# KiCad board RP2350pc_Rev_A.kicad_pcb (continued)
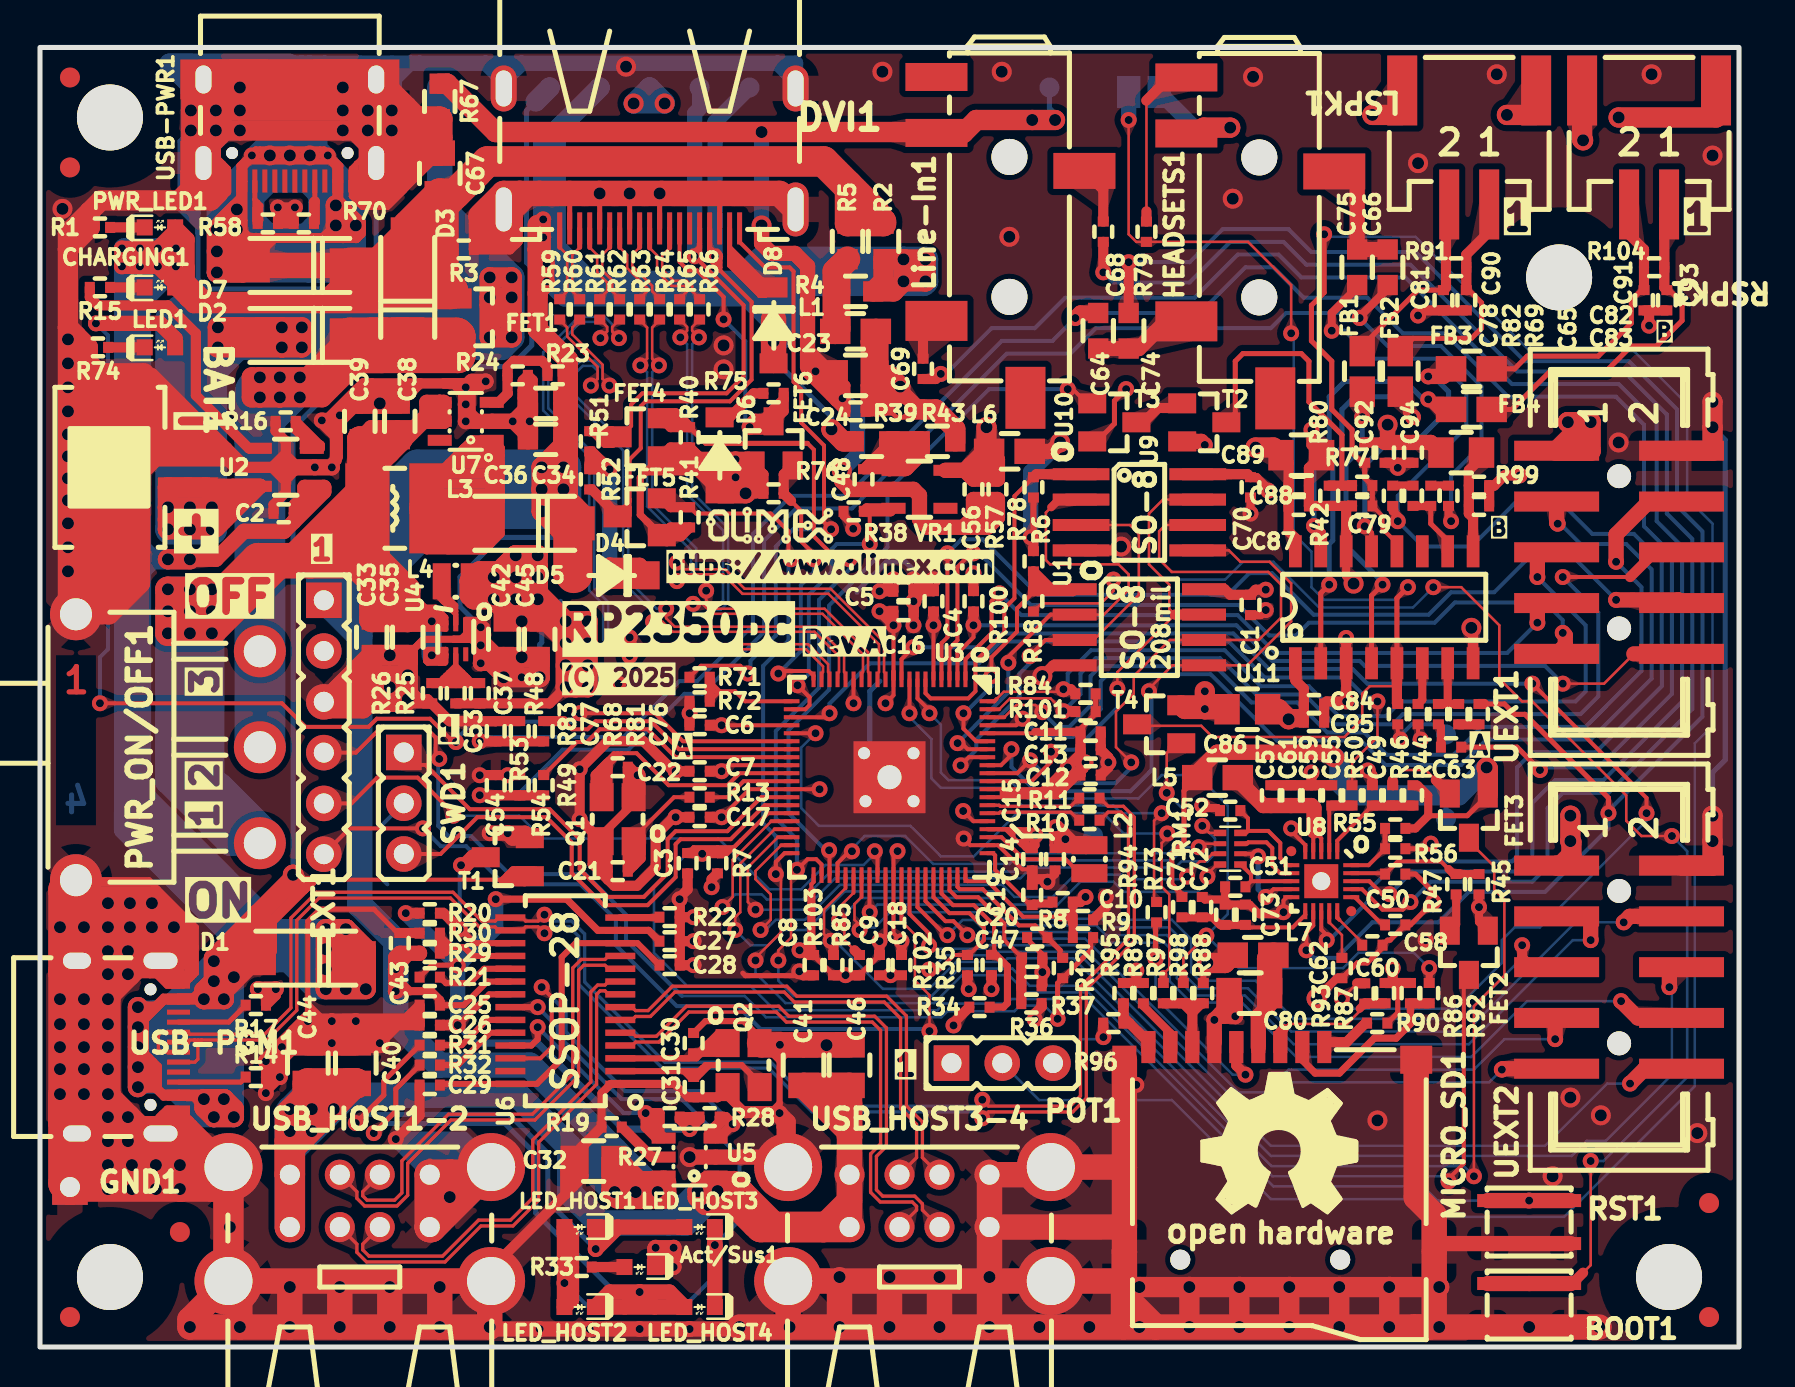
[diagram p0: board, top side]
## Routing (per net, layer and track width the routed paths; a pad name or vN(x,y) marks a point on that pad's centre or on a via; arc(x,y) is an arc through that point) (continued)
  Bottom w1.27: 8.18,61.5 9.68,63 11.21,63 ; 8.18,61.5 USB-PWR1.0 8.18,59.97 11.21,63 ; 8.18,61.5 USB-PWR1.0 8.58,63 GND2.1 11.21,63 ; USB-PWR1.0 USB-PWR1.0
  Bottom w1.524: v1(20.5,7.5) 20.5,9 ; USB_HOST1-2.0 19.57,6 USB_HOST1-2.2.4 USB_HOST1-2.1.4
  vias: v1(1,21) v1(1,17.4) v1(1,16.15) v1(1,15) v1(1,13.9) v1(1,12.65) v1(1.12,56.93) v1(1.4,50.4) v1(1.4,49.2) v1(1.4,48) v1(1.4,46.8) v1(1.4,45.65) v1(1.4,44.55) v1(1.4,43.45) v1(1.4,42.35) v1(1.4,41.2) v1(1.4,40) v1(1.4,38.8) v1(2.2,17.4) v1(2.2,16.15) v1(2.2,15) v1(2.2,13.9) v1(3.4,22.2) v1(3.4,21) v1(3.4,18.65) v1(3.4,16.15) v1(3.4,15) v1(3.4,13.9) v1(3.4,11.5) v1(3.4,9.1) v1(3.4,7.9) v1(4.4,19.8) v1(4.4,10.3) v1(4.5,22.2) v1(4.5,21) v1(4.6,9.1) v1(4.6,7.9) v1(5.6,21) v1(5.8,9.1) v1(5.8,7.9) v1(7,9.1) v1(7,7.9) v1(9.5,6) v1(10,63) v1(10,61.85) v1(16.4,61.85) v1(17.5,33) v1(29.32,64.04) v1(31,57.7) v1(34.2,50.1) v1(34.2,48.9) v1(39.35,15.1) v1(40,3.5) v1(42.15,63.79) v1(42.5,3.5) v1(45,3.5) v1(47.5,3.5) v1(47.5,1) v1(48.12,63.79) v1(48.5,55.53) v1(50,1) v1(52.5,1) v1(55,1) v1(59.67,57.44) v1(60.69,63.53) v1(66.91,11.33) v1(68.94,59.21) v1(70,1) v1(72.88,63.66) v1(74.5,1) v1(75.67,8.54) v1(76.56,12.48) v1(78.09,11.59) v1(78.98,45.24) v1(80.63,63.66) v1(82.91,10.7) v1(83.68,59.59) v2(13.75,44) v2(24.1,33.5) v2(27.5,0.9) v2(28.94,33.18) v2(30,0.9) v2(32,22.4) v2(32.5,0.9) v2(42.55,18.6) v2(54.85,13.11) v2(69.32,20.35)
GNDA: length 176.7
  Top w0.2: C77.2 68.94,30.51 v2(69.07,30.39) ; U8.5 63.3,25.11 62.59,25.81 v2(62.59,25.94) ; v2(62.21,21.75) 62.21,22.33 62.38,22.5 U8.10
  Top w0.254: T3.2 52.87,45.3 53.75,46.18 53.75,47.33 v2(54.34,47.91) ; v2(69.58,25.18) 69.32,24.92 R56.2 ; C50.2 68.82,23.65 69.71,22.77 v2(69.71,22.26) 68.56,21.11 C58.2 67.55,20.35 67.42,20.35 67.16,20.1 67.16,19.97 66.4,19.21 65.9,19.21 C62.2
  Top w0.406: C62.2 64.88,18.45 v1(63.86,17.43) ; C52.2 58.91,26.96 58.28,26.96 v2(58.15,27.08) ; v2(62.21,21.75) 62.11,21.65 60.99,21.65 60.51,22.13 C73.1 C72.2 59.29,22.38 ; 59.29,22.38 58.28,22.38 C71.2 ; 59.29,22.38 C51.2 ; U11.14 65.34,38.56 v1(65.72,38.18)
  Top w0.508: C83.1 C82.1 72.75,43.08 73.26,43.59 v2(74.02,43.59) ; v2(67.93,43.97) 67.93,44.23 ; 67.93,44.23 C92.1 ; 67.93,44.23 C94.1 ; v2(63.61,45.88) 63.61,45.12 C89.1 63.48,43.97 C88.2 C87.1 R42.2 65.26,42.07 ; v1(71.61,35.97) 71.69,35.89 U11.8 ; 65.26,42.07 65.34,41.98 U11.14 ; 65.26,42.07 C79.2 ; C90.1 C81.2 69.2,51.85 v2(68.94,51.59) ; C23.2 40.29,48.09 40.29,47.69 40.2,47.6 40.29,47.51 40.29,47.3 ; C23.2 38.4,49.98 38.4,50.3 ; C23.2 39.78,47.31 ; 40.29,47.3 C24.1 39.78,47.31 ; 40.29,47.3 38.59,49 38.4,49 38.4,48.69 39.78,47.31 ; 61.58,28.1 63.61,28.1 ; C93.1 80.5,51.85 ; 80.5,51.85 v2(80.5,51.09) ; 80.5,51.85 C91.2 ; v2(66.43,28.84) 66.66,28.61 66.66,28.1 ; 63.61,28.1 v2(63.61,28.73) ; 63.61,28.1 64.62,28.1 ; C85.2 C84.1 64.37,32.29 v2(65.34,32.29) U11.3 v2(65.34,35.47)
  Top w0.762: 47.9,41.9 R57.2 C56.2 46.7,41.9 ; 47.9,41.9 46.7,41.9 ; 47.9,41.9 47.9,41.5 ; C23.2 39.43,48.6 38.4,49.62 ; 38.4,49.62 38.4,54.06 37.76,54.7 36.6,54.7 36.1,55.2 v1(36.1,56.1) ; 38.4,49.62 38.4,49 ; v1(40.11,43.85) 40.11,43.31 40.53,42.89 C48.2 41.21,42.9 VR1.2 43.7,42.9 44,42.6 44,41.4 44.4,41 46.2,41 ; 47.9,41.5 47.4,41 46.2,41 ; 47.9,41.5 46.7,41.5 ; 46.7,41.9 46.7,41.5 ; 46.7,41.5 46.2,41
  Top w1.016: R67.2 20.37,63.19 22.79,60.77 44.81,60.77 44.85,60.72 46.2,60.72 46.84,61.37 v1(49.64,61.37) v1(50.78,61.37) ; v2(58.28,32.8) v2(58.28,31.91) 58.28,31.9 C86.1 ; LSPK1.0 74.85,61.63 v1(73.39,61.63) ; v1(78.98,61.5) 83.85,61.5 RSPK1.0 ; T4.2 57.28,31.92 58.28,31.92 ; v1(77.2,60.36) 77.15,60.41 RSPK1.0 ; LSPK1.0 68.15,61.63 v1(66.66,61.63) ; HEADSETS1.5 57.93,60.7 58.22,60.99 v1(59.54,60.99)
  In2.Cu w0.508: POT1.3 53.39,14.2 54.59,15.4 60.05,15.4 62.09,17.43 v1(63.86,17.43)
  Bottom w0.254: GNDA1.1 50.5,61.97 50.78,61.69 v1(50.78,61.37)
  Bottom w0.762: AMP_SHDN_E1.2 57.77,60.99 v1(59.54,60.99) ; v1(40.11,43.85) 40.9,44.63 40.9,46.7 v2(40.15,47.45) v2(38.8,48.8) ; v1(36.1,56.1) v1(36.1,60.77)
VBAT: length 361.7
  Top w0.508: 7.45,43.05 BAT1.1 ; v2(49.77,16.39) 49.77,16.67 50.11,17.01 R36.1
  Top w0.762: U2.3 9.65,43.05 v1(8.6,42) ; U2.3 10.25,43.05 8.6,41.4 ; U2.3 7.45,43.05 ; U2.3 8.85,40.9 v1(7.5,40.9)
  Top w1.016: v1(22.5,52.5) v1(22.5,53.5) v1(23.6,53.5) v1(23.6,52.5) ; v1(22.5,52.5) 22.5,52.1 FET1.3 ; v1(22.5,52.5) v1(23.6,52.5) ; v1(22.5,52.5) v1(22.5,50.5) v1(23.6,50.5) v1(23.6,52.5) ; v1(12.1,51) 10.9,51 D2.2 10.1,51 v1(8.9,51) ; v1(12.1,51) v1(8.9,51) ; v1(12.1,51) v1(13.1,51) v1(13.1,50) v1(12.1,50) ; v1(12.1,51) v1(12.1,50) ; 6.4,41.4 v1(6.4,40.9) v1(8.6,40.9) 8.6,41.4 6.4,41.4 ; 6.4,41.4 v1(6.4,42) ; v1(8.9,51) v1(8.9,50) v1(12.1,50) ; v1(6.4,42) v1(8.6,42) 8.6,42.7 8.3,43 BAT1.1 6.4,43 v1(6.4,42)
  In2.Cu w0.508: v2(49.77,16.39) 46.69,16.39 45.52,17.56 27.06,17.56 25.61,19.01 24.57,19.01 20.97,22.6 9.8,22.6 4.78,27.62 4.78,39.28 v1(6.4,40.9)
  Bottom w0.762: 19,53 21,53 ; 21,53 23.5,50.5 v1(23.6,50.5) ; 21,53 20,54
  Bottom w1.016: 19.5,53.5 20,54 20,55 ; 19.5,53.5 18.5,52.5 ; 19.5,53.5 20.5,53.5 ; v1(8.9,51) 19.3,51 ; v1(8.9,51) 9.9,52 ; v1(8.9,51) v1(8.9,50) ; 19.3,51 20,51 21.2,52.2 ; 19.3,51 21,51 v1(22.5,52.5) ; 18.5,52.5 18,52 ; 18.5,52.5 v1(23.6,52.5) ; 18,52 21,52 21.2,52.2 ; 18,52 9.9,52 ; 7.5,52 7,52 6.4,51.4 7.5,50.3 v1(7.5,40.9) ; 7.5,52 8.1,52 ; 7.5,52 v1(7.5,40.9) ; 10.9,50 v1(12.1,50) 23.1,50 ; 10.9,50 10.1,50 8.6,48.5 ; 10.9,50 v1(8.9,50) ; 21.2,52.2 v1(22.5,53.5) ; 9.9,52 8.6,52 ; 8.6,52 8.6,48.5 ; 8.6,52 8.1,52 ; v1(22.5,53.5) 20,56 20,55 ; v1(22.5,53.5) v1(22.5,52.5) ; 8.1,52 8.1,40.9 v1(7.5,40.9) ; v1(23.6,52.5) v1(23.6,50.5) ; v1(23.6,52.5) v1(22.5,52.5) ; v1(23.6,52.5) v1(23.6,53.5) ; v1(23.6,52.5) 21.6,50.5 ; v1(8.9,50) 9.4,50.5 21.6,50.5 ; 8.6,48.5 v1(8.6,40.9) ; v1(23.6,50.5) 22.5,51.6 v1(22.5,52.5) ; v1(23.6,50.5) v1(22.5,50.5) ; 20,55 v1(22.5,52.5) ; v1(22.5,52.5) v1(22.5,50.5) ; v1(22.5,50.5) 21.6,50.5
  Bottom w1.27: 15,51.96 6.96,51.96 6.4,51.4 ; 15,51.96 16.96,51.96 17.5,52.5 ; 15,51.96 16.46,51.96 20,55.5 ; v1(6.4,40.9) 6.4,51.4 ; 6.4,51.4 20.4,51.4 v1(22.5,53.5) v1(23.6,53.5) ; v1(23.6,53.5) 20,57.1 20,55 17.5,52.5 ; v1(23.6,53.5) v1(23.6,50.5) 23.1,50 v1(8.9,50) ; 17.5,52.5 17,52 ; VBAT1.1 20,56
  Bottom w1.524: v1(8.9,51) 8.6,50.7 v1(8.6,42) v1(8.6,40.9) 6.53,40.9
  vias: v1(7.5,42)
VBUS: length 210.8
  Top w0.2: 23.2,23.3 23.13,23.37 13.67,23.37 13.6,23.3
  Top w0.305: 5.77,17.13 5.03,17.13 v1(4.9,17) ; 5.77,17.13 5.1,16.46 ; 5.77,17.13 6.16,17.53 USB-PGM1.A4 ; 5.3,14.7 5.3,16.35 6.22,17.28 USB-PGM1.B9 9.08,17.28 v1(9.2,17.4) 9.08,17.53 7.6,17.53 ; 5.3,14.7 5.5,14.5 ; 5.3,14.7 5.3,13.6 5.5,13.4 ; 5.77,12.87 6.16,12.47 USB-PGM1.A9 ; 5.77,12.87 5.03,12.87 v1(4.9,13) ; 5.77,12.87 5.22,13.42 ; USB-PGM1.A9 9.12,12.47 v1(9.2,12.4) 8.88,12.72 USB-PGM1.B4 6.17,12.72 5.95,12.95 ; USB-PGM1.A9 7.65,12.47 8.62,11.5 ; USB-PGM1.A9 7.72,12.47 7.6,12.47 ; 5.7,13.2 5.7,14.3 ; 5.7,13.2 5.5,13.4 ; 5.7,13.2 5.95,12.95 ; 5.7,14.3 5.5,14.5 ; 5.7,14.3 5.95,14.05 5.95,12.95 ; USB-PGM1.A4 7.63,17.53 7.92,17.81 8.22,17.81 ; USB-PGM1.A4 7.6,17.53 ; USB-PGM1.A4 7.71,17.53 ; 5.5,13.4 5.5,14.5 ; 5.22,13.42 5.1,13.54 5.1,16.46 ; 5.22,13.42 4.9,13.74 v1(4.9,14) ; v1(8.7,18.3) 7.92,17.53 7.6,17.53 ; 5.1,16.46 4.9,16.26 v1(4.9,16)
  Top w0.508: D1.2 10.8,20.5 13.6,23.3 ; 13.6,23.3 12.83,23.3 ; 13.6,23.3 13.2,22.9 12.7,22.9 ; 24.73,23.8 23.7,23.8 23.45,23.55 ; 23.45,23.55 T1.1 24.26,23.3 23.2,23.3 23.45,23.55
  Top w1.016: 12.7,22.9 12.7,23.58 v1(12.66,23.62) ; v1(8.7,18.3) 8.7,19.43 8.95,19.68 ; v1(8.7,18.3) 8.95,18.55 ; v1(8.7,18.3) 8.7,17.9 ; v1(8.7,18.3) 8.22,17.81 8.22,17.4 ; 9.5,19.1 10.93,20.53 10.93,20.7 ; 9.5,19.1 9.85,19.45 D1.2 9.2,17.85 v1(9.2,17.4) ; 9.5,19.1 8.95,18.55 ; 10.93,20.7 10.93,19.45 11.35,19.87 11.35,20.45 ; 10.93,20.7 10.93,21.1 ; 8.95,18.55 8.95,19.68 ; 11.35,19.92 11.35,21.1 10.93,21.1 ; v1(9.2,17.4) 8.7,17.9 ; v1(9.2,17.4) v1(8.2,17.4) 8.7,17.9 ; 10.93,21.1 10.93,21.66 ; 10.93,21.66 12.66,23.39 v1(12.66,23.62) ; 10.93,21.66 8.95,19.68 ; v1(4.9,17) v1(4.9,16) v1(4.9,14) v1(4.9,13) ; v1(9.2,12.4) 9.7,11.9 v1(9.7,11.5) v1(8.7,11.5) ; v1(9.2,12.4) v1(8.2,12.4) 8.22,12.38 8.22,11.97 v1(8.7,11.5) ; v1(9.2,12.4) 9.2,12 v1(8.7,11.5) ; 12.83,23.3 12.66,23.47 v1(12.66,23.62)
  Bottom w0.254: v1(12.66,23.62) 12.66,45.96 15.74,49.04 23.54,49.04 24.6,50.1 24.6,53.98 24.34,54.24 24.34,61.84 24.8,62.3
  Bottom w1.016: 9.7,12.5 v1(9.7,11.5) v1(8.7,11.5) ; 9.7,12.5 v1(8.7,11.5) ; 9.7,12.5 v1(9.7,18.5) ; 6.3,16.83 7.63,16.83 v1(8.2,17.4) ; 6.3,16.83 7.23,16.83 v1(8.7,18.3) ; 6.3,16.83 5.7,16.83 ; v1(9.2,17.4) 9.7,17.9 v1(9.7,18.5) ; v1(8.7,18.3) 9.2,17.8 v1(9.2,12.4) 9.2,12 v1(8.7,11.5) ; v1(8.7,18.3) v1(8.7,19.3) ; v1(8.7,18.3) v1(8.7,11.5) ; v1(8.7,18.3) 8.2,17.8 8.2,16 ; 5.7,16.83 5.07,16.83 v1(4.9,17) v1(4.9,13) 5.07,13.17 6.4,13.17 ; 5.7,16.83 6.23,16.83 v1(8.7,19.3) ; 6.4,13.17 8.07,11.5 v1(8.7,11.5) ; 6.4,13.17 6.8,13.17 ; v1(8.7,19.3) 8.9,19.3 v1(9.7,18.5) ; 8.2,13.9 v1(8.2,12.4) ; 8.2,13.9 8.1,14 v1(4.9,14) ; 8.2,13.9 8.2,15 ; v1(8.2,12.4) 7.43,13.17 6.8,13.17 ; v1(8.2,12.4) 8.2,12 v1(8.7,11.5) ; v1(8.7,11.5) 7.03,13.17 6.8,13.17 ; 24.8,62.3 VBUS1.1 ; v1(4.9,16) 8.2,16 ; 8.2,16 8.2,15 ; 8.2,15 v1(4.9,15)
/ADC_AVDD: length 7.5
  Top w0.2: U3.59 45.9,23.01 46.01,22.9 47.17,22.9 48.98,21.09 49.79,21.09 C20.1
  Top w0.254: R12.2 51.04,19.59 51.04,19.84 C20.1
/ADC_VREF: length 51.9
  Top w0.2: EXT1.4 15.81,29.73 17.1,31.02 19.26,31.02 19.79,30.49 19.79,29.6 v2(19.98,29.41)
  Top w0.254: R9.2 52.56,20.35 52.56,19.84 R12.1 50.91,18.19 v2(50.91,16.42)
  Bottom w0.127: v2(50.91,16.42) 50.25,17.08 49.03,17.08 48.75,16.8 45.4,16.8 45.09,16.49 36.32,16.49 35.26,17.56 32.11,17.56
  Bottom w0.2: 32.11,17.56 29.32,20.35 29.32,21.62 27.29,23.65 23.48,23.65 21.57,25.56 20.43,25.56 19.92,26.07 19.92,29.36 v2(19.98,29.41)
/AMP-L: length 3.1
  Top w0.406: R81.1 70.34,32.16 ; 70.34,32.16 R68.2 ; 70.34,32.16 70.43,32.25 U11.7
/AMP-R: length 3.5
  Top w0.254: R69.2 69.58,41.18 70.43,40.33 U11.10
  Top w0.406: R69.2 R82.1
/AMP-SHDN#: length 58.3
  Top w0.127: v2(54.47,61.37) 54.47,55.66 54.85,55.28 R79.2 60.43,55.28 62.59,53.12 v2(62.59,50.7) ; T4.3 54.96,31.07 58.1,31.07 58.66,30.51 65.26,30.51 66.15,31.4 66.15,32.67 66.53,33.05 67.88,33.05
  Top w0.254: v2(68.44,38) 67.88,37.45 U11.5
  Top w0.508: R83.2 67.88,32.2 U11.5
  Bottom w0.127: v2(68.44,38) 67.8,37.37 64.24,37.37 63.61,38 63.61,39.78 62.72,40.67 62.72,50.58 v2(62.59,50.7)
  Bottom w0.762: AMP_SHDN_E1.1 v2(54.47,61.37)
/AMP-VOL: length 115.2
  Top w0.2: C79.1 67.16,41.56 67.16,40.93 67.88,40.21 U11.12
  Top w0.254: v2(64.24,55.66) 64.24,52.74 63.61,52.1 63.61,50.32 64.62,49.31 64.62,46.89 65.64,45.88 65.64,44.74 66.15,44.23 R80.1 66.28,43.47 R77.2 C79.1
  Bottom w0.127: POT1.2 49.99,12.35 56.62,12.35 61.58,7.4 68.94,7.4 69.83,6.51 76.25,6.51 82.79,13.05 82.79,30.19 83.68,31.08 83.68,41.18 82.41,42.45 82.41,47.15 79.74,49.82 74.53,49.82 68.82,55.53 64.37,55.53 v2(64.24,55.66)
/AMP_VDD: length 5.3
  Top w0.508: U11.9 71.69,41.48 71.48,41.69 C83.2 C82.2 71.48,43.85 72.12,44.48 R99.1
/AUD-L: length 105.1
  Top w0.254: v2(75.04,28.86) 73.9,30 C63.1
  Top w0.508: R48.1 R53.1 C53.1 22.01,30.29 v2(22,30.3)
  Top w0.762: C64.1 52.05,51.72 v2(51.8,51.47)
  Bottom w0.2: v2(22,30.3) 22.21,30.51 29.19,30.51 31.99,33.31 32.88,33.31 35.67,36.1 35.67,40.67 37.57,42.58 40.37,42.58 48.12,50.32 50.66,50.32 v2(51.8,51.47) 52.05,51.72 58.02,51.72 60.31,54.01 61.7,54.01 63.23,52.48 66.4,52.48 68.18,50.7 70.28,50.7 73.45,47.53 78.85,47.53 80.25,46.13 80.25,41.05 81.64,39.66 81.64,32.67 77.96,28.99 75.17,28.99 v2(75.04,28.86)
/AUD-R: length 77.9
  Top w0.406: v2(70.59,41.31) 70.47,41.43 C65.1 ; v2(66.02,51.47) 66.02,51.53 67.42,52.93 C66.1
  Top w0.508: v2(22,27.6) 22.01,27.59 C54.1 R54.1 R49.1
  Bottom w0.2: v2(22,27.6) 23.87,27.6 26.14,29.88 29.45,29.88 32.24,32.67 33.13,32.67 36.23,35.77 36.23,40.34 37.83,41.94 40.62,41.94 48.37,49.69 51.54,49.69 52.81,50.96 61.58,50.96 62.34,51.72 65.77,51.72 v2(66.02,51.47) 67.42,50.07 70.09,50.07 72.12,48.04 72.12,45.12 70.59,43.59 v2(70.59,41.31)
/BOOTSEL#: length 71.8
  Top w0.127: v2(77.58,9.3) 77.58,4.1 77.2,3.72 ; R18.2 50.11,37.2 53.09,37.2 53.7,37.81 v2(53.7,38.39) ; v2(81.64,25.56) 80.12,25.56 79.36,26.32 79.36,27.59 74.66,32.29 74.15,32.29 73.01,33.43 73.01,36.1 71.1,38 v2(69.71,38)
  Top w0.508: BOOT1.1 76.66,3.17 77.2,3.72
  Top w0.762: BOOT1.1 BOOT1.1
  Bottom w0.127: v2(81.64,25.56) 82.41,24.8 82.41,13.49 78.21,9.3 v2(77.58,9.3) ; v2(69.71,38) 68.69,36.99 63.99,36.99 61.7,39.28 60.18,39.28 59.29,38.39 v2(53.7,38.39)
/CK+: length 4.9
  Top w0.127: 30.5,54.97 30.87,54.6 30.87,53.8 31.6,53.07 32.25,53.07 32.37,52.95 32.37,52.81 32,52.43 R65.2
  Top w0.25: 30.5,54.97 DVI1.10
/CK-: length 4.9
  Top w0.127: R66.2 33,52.43 32.63,52.81 32.63,53.06 32.36,53.33 31.71,53.33 31.13,53.91 31.13,54.6 31.5,54.97
  Top w0.25: 31.5,54.97 DVI1.12
/D0+: length 4.3
  Top w0.127: 29,55 29.37,54.63 29.37,53.97 30.37,52.97 30.37,52.81 30,52.43 R63.2
  Top w0.25: 29,55 DVI1.7
/D0-: length 4.3
  Top w0.127: 30,55 29.63,54.63 29.63,54.08 30.63,53.08 30.63,52.81 31,52.43 R64.2
  Top w0.25: 30,55 DVI1.9
/D1+: length 4.1
  Top w0.127: R61.2 28,52.43 28.37,52.81 28.37,53.25 27.87,53.75 27.87,54.63 27.5,55
  Top w0.25: 27.5,55 DVI1.4
/D1-: length 4.1
  Top w0.127: 28.5,55 28.13,54.63 28.13,53.85 28.63,53.35 28.63,52.81 29,52.43 R62.2
  Top w0.25: 28.5,55 DVI1.6
/D2+: length 3.9
  Top w0.127: 26,55 26.37,54.63 26.37,52.81 26,52.43 R59.2
  Top w0.25: 26,55 DVI1.1
/D2-: length 3.9
  Top w0.127: R60.2 27,52.43 26.63,52.81 26.63,54.63 27,55
  Top w0.25: 27,55 DVI1.3
/D+: length 4.8
  Top w0.165: R11.2 51.97,27.45 51.56,27.05 48.04,27.05 47.98,27.1 U3.67
/D-: length 4.8
  Top w0.165: R10.2 51.97,26.35 51.56,26.75 48.04,26.75 47.98,26.7 U3.66
/DCDC_VIN: length 154.1
  Top w0.254: U4.3 20.3,35.9 18.4,35.9 C35.1 18.64,36.15 U4.3 ; U4.3 20.3,36.5 ; U4.3 20.3,36.3 v2(19.6,36.3) ; U4.3 20.3,36.2 19.7,36.8 ; U4.4 20.3,34.24 20.26,34.2 20.1,34.2 ; U4.4 20.3,34.9 19.9,34.9 ; U4.4 20.14,34.65 19.9,34.9 ; U4.4 20,34.35 20,34.2 ; U4.4 20.3,34.5 20,34.2 ; U4.4 20.3,34.6 20,34.6 ; 20,34.2 v2(19.6,34.6) ; 20,34.2 20.1,34.2 ; v2(19.6,34.6) 19.9,34.9 ; v2(19.6,34.6) 19.3,34.3 ; 20.1,34.2 19.4,34.2 19.3,34.3 ; 20.3,36.5 19.8,37 ; 20.3,36.5 20,36.8 ; 19.3,34.3 19.3,34.8 19.4,34.9 19.9,34.9 ; 19.7,36.8 18.4,36.8 18.6,37 19.8,37 ; 19.7,36.8 20,36.8 ; 19.8,37 19.3,37 18.4,37.9 ; 19.8,37 20,36.8
  Top w0.762: 17.39,44.81 17.59,44.81 18.77,45.98 ; U7.5 19.18,46.3 18.29,45.41 C38.1 18.21,45.41 ; U7.5 20.2,46.3 20.2,47.25 U7.4 ; U7.5 19.09,46.3 18.77,45.98 ; U7.5 19.1,46.3 18.21,45.41 ; C39.1 16.57,45.98 17.87,45.98 ; 18.77,45.98 17.87,45.98 ; U7.4 19.35,47.25 19.35,46.55 ; U7.4 18.16,45.41 17.3,45.41 17.87,45.98 ; U7.4 20,47.2 19.35,46.55 ; 19.35,46.55 18.21,45.41
  Top w0.813: v2(19.6,34.6) 20,34.6
  Top w1.016: C35.1 18.49,36.3 v2(19.6,36.3)
  Top w1.27: 12.23,39.33 13.53,39.33 ; 12.23,39.33 v1(8.6,35.7) ; 12.23,39.33 12.47,39.33 16,42.86 C39.1 ; 18.4,36.8 18.1,37.1 16.6,37.1 ; 18.4,36.8 C35.1 ; 18.4,36.8 16.6,38.6 16.6,37.1 ; v1(8.6,35.7) v1(6.4,35.7) v1(6.4,37.9) v1(8.6,37.9) v1(8.6,35.7) ; 16.6,37.1 C33.1 C35.1 ; 16.6,44.6 16.6,44.81 C39.1 ; C39.1 C38.1 16.15,43.56 L3.2 ; 16.6,39.7 18.4,37.9 C35.1 ; v1(7.5,37.9) 9.5,37.9 10.93,39.33 ; v1(8.6,36.8) v1(6.4,36.8)
  Top w1.778: 13.53,39.33 10.93,39.33 9.2,37.6 8.4,37.6 ; 13.53,39.33 L3.2 ; 13.53,39.33 15.87,39.33 16.6,38.6 16.6,44.6
  Bottom w1.016: v2(19.6,36.3) v2(19.6,34.6) ; 8.6,27.6 7.5,28.7 v1(7.5,37.9)
  Bottom w1.27: 8.6,27.6 v1(8.6,37.9) v1(6.4,37.9) v1(6.4,35.7) 6.4,28.3 9.5,25.2 PWR_ON/OFF1.1
  Bottom w2.54: PWR_ON/OFF1.1 8.6,27.6
  vias: v1(7.5,36.8) v1(7.5,35.7)
/GPIO0\UART0_TX: length 51.8
  Top w0.2: U3.77 48.83,31.1 v2(49.16,31.43)
  Top w0.762: UEXT1.3 75.88,41.23 v2(75.93,41.18)
  Bottom w0.2: v2(75.93,41.18) 76.06,41.18 77.07,40.16 79.36,40.16 80.63,38.89 80.63,33.43 77.58,30.39 72.37,30.39 71.1,29.11 67.31,29.11 66.09,30.33 61.88,30.33 58.56,33.65 53.42,33.65 53.07,33.31 53.07,31.91 51.67,30.51 50.07,30.51 v2(49.16,31.43)
/GPIO1\UART0_RX: length 50.4
  Top w0.127: 48.24,31.5 48.85,32.11 49.79,32.11 v2(50.15,31.75)
  Top w0.2: 48.24,31.5 U3.78
  Top w0.762: v2(78.85,39.28) 78.85,40.64 80.5,42.29 UEXT1.4
  Bottom w0.2: v2(78.85,39.28) 80.12,38 80.12,33.81 77.32,31.02 72.12,31.02 70.72,29.62 67.37,29.62 66.25,30.74 64.4,30.74 62.9,32.24 60.61,32.24 58.8,34.05 53.05,34.05 52.56,33.56 52.56,32.09 51.49,31.02 50.88,31.02 v2(50.15,31.75)
/GPIO2\I2C1_SDA: length 48.5
  Top w0.127: 47.99,31.9 48.53,32.44 50.56,32.44 v2(51.2,31.8)
  Top w0.2: U3.79 47.99,31.9 ; v2(76.18,38.51) 79.55,38.51
  Top w0.508: R101.1 51.78,31.8 v2(51.2,31.8) ; 79.55,38.51 80.79,39.75 UEXT1.6
  Bottom w0.2: v2(76.18,38.51) 77.96,36.73 77.96,32.54 77.07,31.66 68.18,31.66 67.67,31.15 64.75,31.15 63.26,32.64 60.85,32.64 59.03,34.45 52.82,34.45 52.05,33.69 52.05,32.65 v2(51.2,31.8)
/GPIO3\I2C1_SCL: length 42.8
  Top w0.127: v2(51.2,32.9) 51.07,32.77 48.22,32.77 47.86,32.42
  Top w0.2: U3.80 47.74,32.3 47.86,32.42
  Top w0.508: R84.2 51.57,32.9 v2(51.2,32.9)
  Top w0.762: UEXT1.5 74.91,39.75 v2(74.91,38.51)
  Bottom w0.2: v2(51.2,32.9) 51.42,33.12 51.42,33.69 52.58,34.85 59.27,34.85 61.07,33.05 63.48,33.05 64.98,31.55 67.33,31.55 68.07,32.29 76.82,32.29 77.32,32.8 77.32,36.1 v2(74.91,38.51)
/GPIO4\SPI0_RX(MISO): length 35.7
  Top w0.2: v2(48,37.7) 47.61,37.31 47.61,35.71 46.3,34.4 U3.1
  Top w0.762: UEXT1.7 74.91,37.21 v2(74.91,36.23)
  Bottom w0.2: v2(48,37.7) 49.09,36.61 59.91,36.61 61.81,34.72 73.4,34.72 v2(74.91,36.23)
/GPIO5\SPI0_CSn(CS#): length 41
  Top w0.127: 79.74,34.67 78.25,33.18 v2(76.18,33.18)
  Top w0.2: U3.2 45.9,34.7 46.7,35.5 v2(46.7,36.1)
  Top w0.508: R100.1 v2(46.7,36.1)
  Top w0.762: 79.74,34.67 UEXT1.10
  Bottom w0.2: v2(76.18,33.18) 75.29,34.07 66.28,34.07 66.03,34.32 61.64,34.32 59.86,36.1 v2(46.7,36.1)
/GPIO6\SPI0_SCK(SCK): length 41
  Top w0.2: v2(46.7,39.7) 46.58,39.7 45.9,39.02 45.9,35.35 45.5,34.95 U3.3
  Top w0.762: UEXT1.9 76.31,35.1 76.31,35.59 v2(76.18,35.72)
  Bottom w0.2: v2(46.7,39.7) 46.99,39.7 49.57,37.12 59.97,37.12 61.5,35.59 62.85,35.59 63.48,36.23 69.77,36.23 70.78,37.24 75.29,37.24 76.18,36.35 v2(76.18,35.72)
/GPIO7\SPI0_TX(MOSI): length 48.1
  Top w0.2: U3.4 45.1,35.2 45.4,35.5 v2(45.4,39.7)
  Top w0.762: v2(78.85,37.37) 81.97,37.37 UEXT1.8
  Bottom w0.2: v2(45.4,39.7) 46.1,40.4 47.15,40.4 49.93,37.62 59.42,37.62 60.5,38.7 61.64,38.7 63.72,36.63 69.47,36.63 70.59,37.75 72.75,37.75 74.53,39.53 76.69,39.53 v2(78.85,37.37)
/GPIO8\QMI_CS1n: length 17.5
  Top w0.2: U3.6 44.3,32.7 44.56,32.44 46.44,32.44 46.8,32.8 46.8,34.3 48.24,35.74 48.24,36.94 48.75,37.45 48.75,42.56 R78.2
  Top w0.508: U9.1 49.85,43.66 R78.2
/GPIO9\SPI1_CSn\SD_DAT0: length 44.1
  Top w0.127: v2(58.35,20.58) 57.2,19.43 57.2,18.7
  Top w0.2: U3.7 43.9,32.44 44.5,31.84 v2(44.5,31.7)
  Top w0.356: v2(69.5,18.95) R92.1
  Top w0.406: 57.2,18.7 R98.1
  Bottom w0.127: v2(44.5,31.7) 45.07,31.13 45.07,28.73 45.45,28.35 48.5,28.35 49.41,27.44 54.95,27.44 56.12,28.61 57.89,28.61 59.42,27.08 59.42,21.65 v2(58.35,20.58) 59.98,18.95 65.2,18.95 65.96,19.72 68.74,19.72 v2(69.5,18.95)
/GPIO10\SPI1_SCK\SD_CLK: length 22.3
  Top w0.127: v2(56.12,26.7) 55.74,26.32 55.74,22.38 R94.1
  Top w0.2: U3.8 v2(43.5,31.7)
  Bottom w0.127: v2(56.12,26.7) 54.08,26.7 53.7,27.08 49.13,27.08 48.24,27.97 45.07,27.97 44.6,28.44 44.6,30.41 43.5,31.51 v2(43.5,31.7)
/GPIO11\SPI1_TX\SD_CMD: length 64.8
  Top w0.127: 65.9,18.19 v2(65.13,17.43)
  Top w0.2: v2(43.7,35) 43.1,34.4 U3.9 ; v2(74.66,33.18) 80.37,27.46 v2(80.37,26.7)
  Top w0.508: 65.9,18.19 R93.1
  Bottom w0.127: v2(80.37,26.7) 80.37,26.33 75.03,20.99 73.77,20.99 73.13,20.35 73.13,19.21 70.85,16.92 65.64,16.92 v2(65.13,17.43)
  Bottom w0.2: v2(43.7,35) 46.89,35 47.58,35.69 59.7,35.69 61.48,33.92 65.67,33.92 66.4,33.18 v2(74.66,33.18)
/GPIO20\HDMI_CEC: length 14
  Top w0.2: U3.20 38.7,33.58 38.46,33.81 37.07,33.81 v2(36.94,33.69) ; v2(38.72,39.4) 38.72,39.66 38.08,40.29 38.08,41.81 37.57,42.32
  Top w0.508: 37.57,42.32 37.21,42.69 R76.2 37.21,43.65 FET6.2
  Bottom w0.2: v2(36.94,33.69) 38.06,34.81 38.06,38.11 38.72,38.77 v2(38.72,39.4)
/GPIO21\HDMI_HPD: length 7.1
  Top w0.2: U3.21 35.28,32.3 34.78,32.8 34.01,32.8 ; 34.01,32.8 R72.1 ; 34.01,32.8 33.51,33.3 R71.2 ; 34.01,32.8 33.51,32.8
  Top w0.508: R71.2 R72.1
/GPIO22\CODEC_PWR_DIS#: length 16.7
  Top w0.2: v2(41.51,40.16) 41.51,41.69 41.4,41.8 R38.2 ; U3.22 38.29,31.9 38.5,32.11 38.5,32.5 v2(37.9,33.1)
  Top w0.508: 42.55,41.8 R38.2 41.37,41.95 VR1.3 42.55,41.8
  Bottom w0.2: v2(37.9,33.1) 38.46,33.66 38.46,37.62 39.61,38.77 39.61,39.91 39.86,40.16 v2(41.51,40.16)
/GPIO23\GPOUT1\CODEC_MCLK: length 37.1
  Top w0.127: 65.64,28.1 65.64,29.24 66.91,30.51 v2(66.91,32.29)
  Top w0.2: v2(39.5,31.7) 39.3,31.5 U3.23
  Bottom w0.2: v2(66.91,32.29) 66.71,32.49 66.33,32.49 65.34,33.48 61.27,33.48 59.46,35.29 48.07,35.29 46.97,34.19 41.51,34.19 39.5,32.18 v2(39.5,31.7)
/GPIO24\SPI1_RX\SD_DAT0: length 33.7
  Top w0.127: 56.2,18.66 56.5,18.95 56.5,22.64 56.12,23.02 56.12,25.2 56.4,25.49 v2(56.4,25.69)
  Top w0.2: U3.25 v2(38.8,30.7)
  Top w0.406: R97.1 56.2,18.66
  Bottom w0.127: v2(56.4,25.69) 54.21,25.69 53.19,26.7 48.88,26.7 46.72,24.54 45.07,24.54 43.54,26.07 38.97,26.07 38.08,26.96 38.08,29.98 v2(38.8,30.7)
/GPIO25\User_Led: length 61.1
  Top w0.2: v2(27,31.7) 30.77,31.7 32.17,30.3 U3.26 ; v2(3,32.2) 12.1,32.2 13.28,31.02 16.44,31.02 16.85,31.43 19.51,31.43 20.68,30.26 v2(20.81,30.26)
  Top w0.762: v2(2.8,51.2) 6,51.2 6.76,50.44 LED1.2
  Bottom w0.2: v2(27,31.7) 26.57,31.27 21.7,31.27 20.81,30.39 v2(20.81,30.26) ; v2(3,32.2) 3,34.5 3.4,34.9 3.4,50.6 v2(2.8,51.2)
/GPIO26\PWM5_A\PWM_AUDIO-L: length 13.3
  Top w0.2: 26.2,31.31 26.61,30.9 27.4,30.9 27.8,31.3 30.57,31.3 31.97,29.9 U3.27
  Top w0.508: R48.2 26.2,31.31
/GPIO27\PWM5_B\PWM_AUDIO-R: length 13.9
  Top w0.2: U3.28 31.8,29.5 30.4,30.9 28,30.9 27.36,30.26 26.85,30.26 R49.2
/GPIO28\SPI1_RX\CODEC_ASDOUT: length 32.7
  Top w0.127: v2(34.15,22) 34.65,22.51 34.65,24.37 36.59,26.3 ; RM1.2.1 58.14,25.17 v2(57.97,25)
  Top w0.2: 36.59,26.3 U3.36
  Bottom w0.127: v2(34.15,22) 34.78,22.64 36.11,22.64 36.37,22.38 38.16,22.38 39.56,23.78 48.75,23.78 49.31,24.34 56.62,24.34 57.28,25 v2(57.97,25)
/GPIO29\SPI1_CSn\CODEC_LRCK: length 34.1
  Top w0.127: v2(58.4,23.53) 58.4,23.65 58.88,24.13 RM1.4.1 ; v2(34.78,20.86) 34.78,21.5 35.03,21.75 35.03,24.18 36.75,25.9
  Top w0.2: 36.75,25.9 U3.37
  Bottom w0.127: v2(58.4,23.53) 58.4,23.27 57.89,22.77 54.21,22.77 53.7,23.27 52.05,23.27 50.91,22.13 48.5,22.13 47.84,22.79 40.26,22.79 38.34,20.86 37.19,20.86 36.43,20.1 35.54,20.1 v2(34.78,20.86)
/GPIO30\SPI1_SCK\CODEC_SCLK: length 31.9
  Top w0.127: v2(58.15,26.07) 58.5,25.71 RM1.1.1 ; 36.92,25.5 35.41,24 35.41,22.26 v2(35.8,21.88)
  Top w0.2: 36.92,25.5 U3.38
  Bottom w0.127: v2(35.8,21.88) 38.21,21.88 39.77,23.44 49.05,23.44 49.59,23.98 56.8,23.98 57.11,24.29 58.4,24.29 58.78,24.67 58.78,25.43 v2(58.15,26.07)
/GPIO31\SPI1_TX\CODEC_DSDIN: length 31.1
  Top w0.127: v2(36.05,20.86) 36.56,21.37 36.56,22.64 35.8,23.4 35.8,23.81 37.08,25.1 ; v2(57.39,23.53) 57.39,23.65 58.02,24.29 58.28,24.29 58.66,24.67
  Top w0.2: RM1.3.1 58.66,24.67 ; 37.08,25.1 U3.39
  Bottom w0.127: v2(36.05,20.86) 36.3,20.86 36.81,21.37 38.27,21.37 40.02,23.11 48.15,23.11 48.75,22.51 50.66,22.51 51.77,23.63 54.11,23.63 54.34,23.4 57.26,23.4 v2(57.39,23.53)
/GPIO32\I2C0_SDA: length 83.1
  Top w0.127: v2(35.8,19.34) 35.8,19.46 37.07,20.73 37.07,23.4 v2(36.81,23.65)
  Top w0.2: v2(37.57,39.4) 37.45,39.53 37.45,40.8 36.56,41.69 32.82,41.69 R41.2 ; FET2.3 71.23,18.36 71.23,9.18 70.47,8.41 v2(70.47,8.29) ; v2(36.81,23.65) 36.81,24.26 37.25,24.7 U3.40
  Top w0.508: FET5.2 31.55,42.01 R41.2
  Bottom w0.127: v2(70.47,8.29) 70.21,8.54 61.66,8.54 52.46,17.74 49.33,17.74 48.47,18.6 46.13,18.6 44.74,17.2 37.29,17.2 35.8,18.7 v2(35.8,19.34)
  Bottom w0.2: v2(36.81,23.65) 36.81,25.56 36.18,26.19 36.18,34.07 37.45,35.34 37.45,39.28 v2(37.57,39.4)
/GPIO33\I2C0_SCL: length 101.4
  Top w0.127: FET3.3 71.91,25.05 71.91,24.88 72.75,24.03 72.75,22.89 73.26,22.38 73.26,18.57 71.74,17.05 v2(71.74,8.54) ; v2(37.87,23.87) 37.87,23.69 37.57,23.4 37.57,20.48 36.94,19.84 v2(36.94,19.34)
  Top w0.2: v2(37.87,23.87) 38.4,24.4 38.83,24.4 39.1,24.13 U3.42 ; v2(40.5,39.4) 39.86,39.4 38.72,40.55 38.72,44.88 38.4,45.2
  Top w0.254: R40.2 33.31,45.2 38.4,45.2
  Top w0.508: 30.95,46.7 31.81,46.7 32.06,46.46 ; 32.06,46.46 FET4.2 31.55,46.01 R40.2 32.06,46.46
  Bottom w0.127: v2(71.74,8.54) 71.23,9.05 61.61,9.05 52.6,18.07 49.51,18.07 48.65,18.93 45.98,18.93 44.61,17.56 37.7,17.56 36.94,18.32 v2(36.94,19.34)
  Bottom w0.2: v2(40.5,39.4) 40.5,38.89 38.97,37.37 38.97,32.97 36.81,30.81 36.81,26.45 37.87,25.39 v2(37.87,23.87)
